# KiCad board d-lev-io-rounded.kicad_pcb
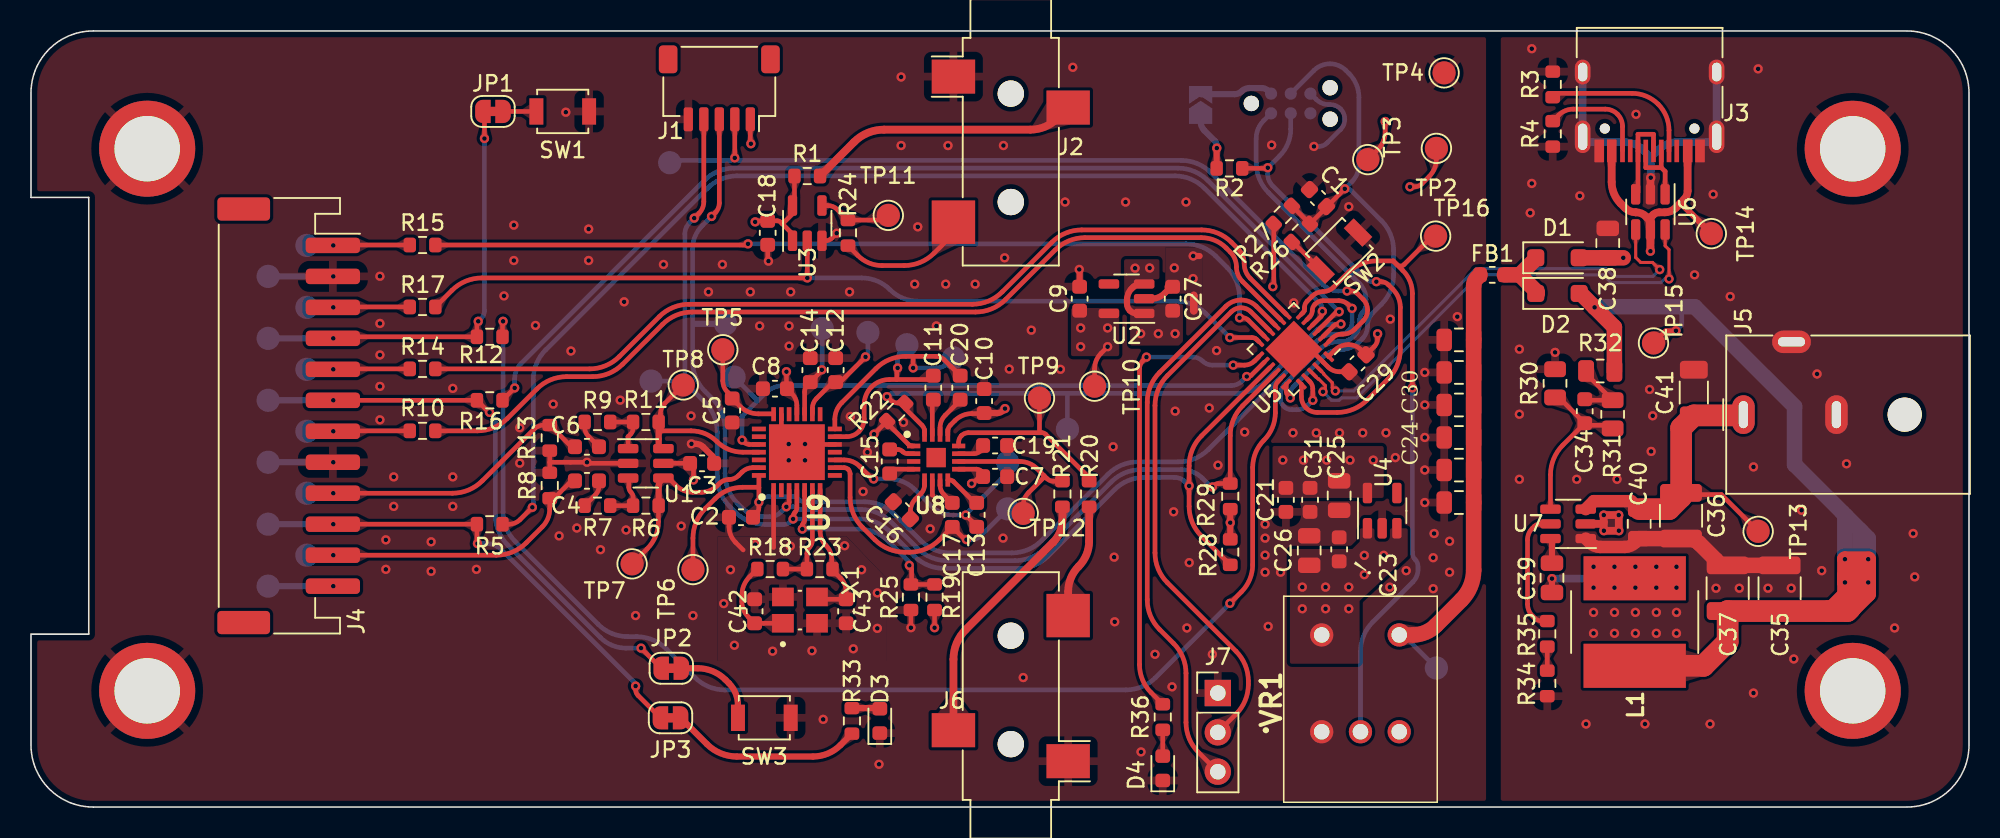
[diagram p0: board, top side]
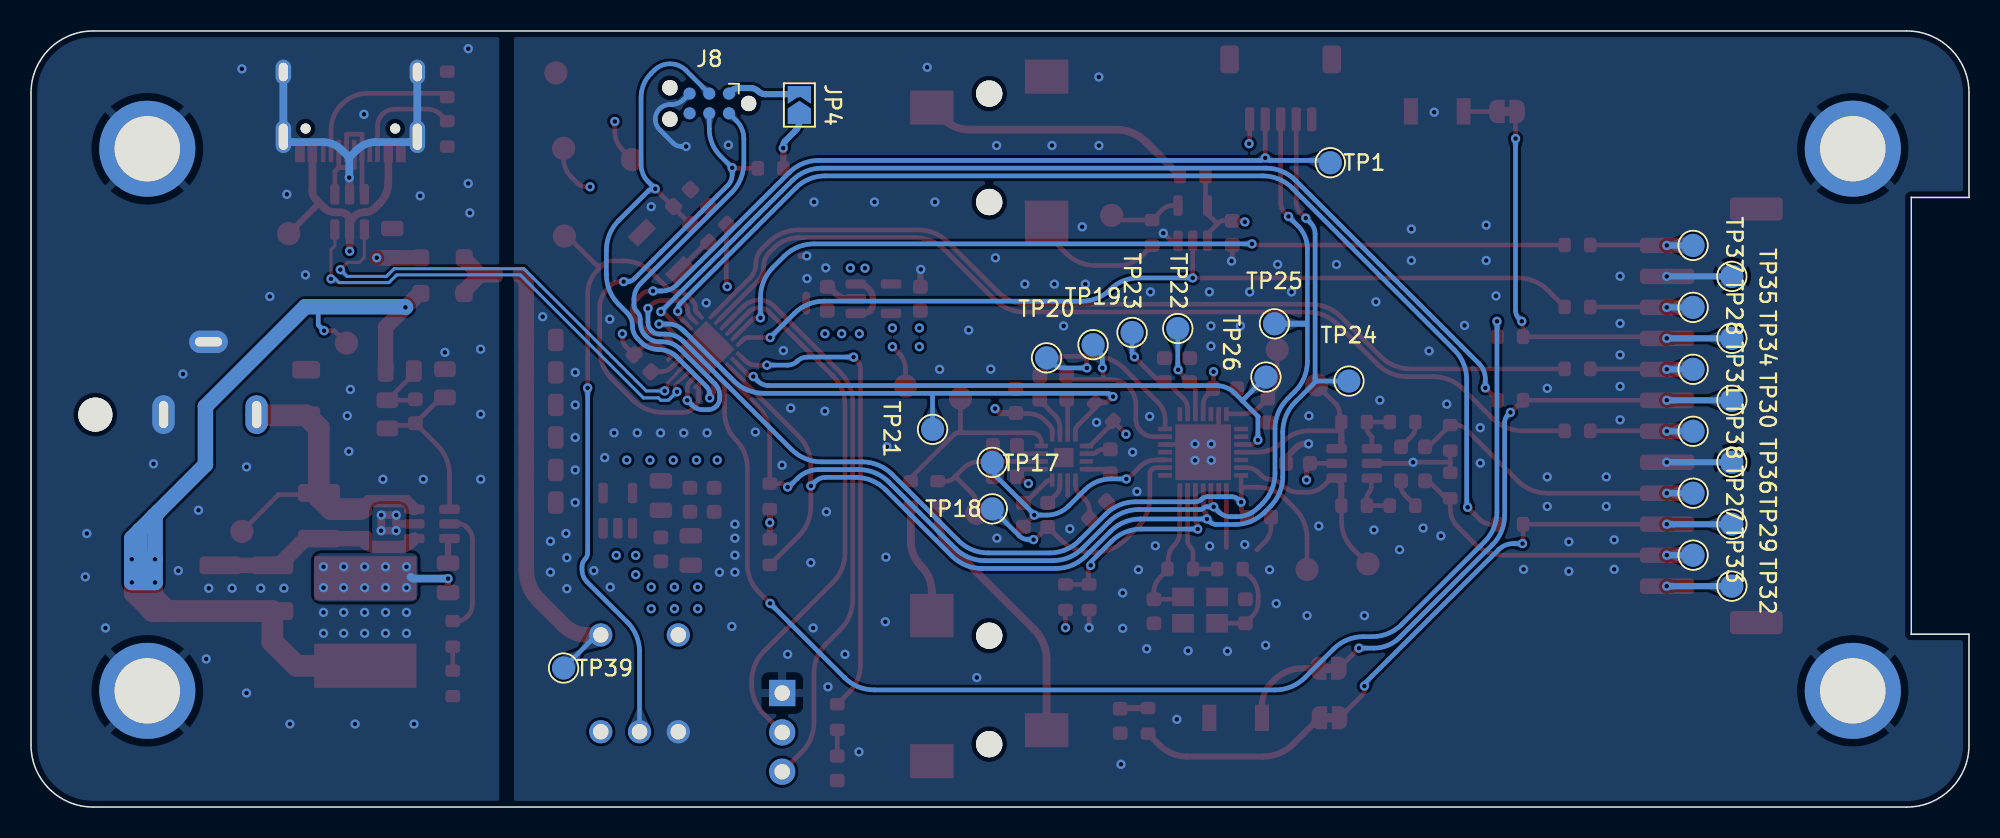
[diagram p1: board, bottom side, seen from below]

Outline 124.99 x 50.1 mm; copper layers: Top, In1.Cu, In2.Cu, Bottom. Coordinates in mm from the lower left corner of the outline.
Outline path: 0,11.16 0,4 arc(1.17,1.17) 4,0 120.99,0 arc(123.82,1.17) 124.99,4 124.99,46.1 arc(123.82,48.93) 120.99,50.1 4,50.1 arc(1.17,48.93) 0,46.1 0,39.36 3.72,39.36 3.72,11.16 0,11.16
Stack: Top 0.035mm / dielectric 0.2mm FR4 er 4.5 / In1.Cu 0.0175mm / dielectric 1.075mm FR4 er 4.5 / In2.Cu 0.0175mm / dielectric 0.2mm FR4 er 4.5 / Bottom 0.035mm

## Placement (name value [footprint] x y rotation side)
C1  .1u  [C_0603_1608Metric]  83.01 39.32 315 top
C2  1u  [C_0603_1608Metric]  45.79 18.71 0 top
C3  100n  [C_0603_1608Metric]  43.28 22.19 180 top
C4  4.7n  [C_0603_1608Metric]  35.86 21.06 180 top
C5  4.7u  [C_0603_1608Metric]  45.22 25.6 270 top
C6  4.7n  [C_0603_1608Metric]  35.86 23.26 180 top
C7  1u  [C_0603_1608Metric]  62.18 21.33 0 top
C8  1u  [C_0603_1608Metric]  47.98 27.01 0 top
C9  1u  [C_0603_1608Metric]  67.63 32.82 270 top
C10  1u  [C_0603_1608Metric]  61.47 26.21 90 top
C11  .47u  [C_0603_1608Metric]  58.2 27.07 270 top
C12  1u  [C_0603_1608Metric]  51.9 28.21 270 top
C13  .47u  [C_0603_1608Metric]  60.99 18.86 90 top
C14  1u  [C_0603_1608Metric]  50.26 28.21 270 top
C15  1u  [C_0603_1608Metric]  55.38 22.31 270 top
C16  1u  [C_0603_1608Metric]  56.17 19.16 315 top
C17  .47u  [C_0603_1608Metric]  59.42 18.86 90 top
C18  100n  [C_0603_1608Metric]  47.51 37.07 90 top
C19  0.1u  [C_0603_1608Metric]  62.18 23.34 0 top
C20  .47u  [C_0603_1608Metric]  59.93 27.07 270 top
C21  .1u  [C_0603_1608Metric]  80.94 19.83 90 top
C22  10u  [C_0805_2012Metric]  92.1 25.96 0 top
C23  1u  [C_0603_1608Metric]  84.37 16.63 270 top
C24  10u  [C_0805_2012Metric]  92.1 19.66 0 top
C25  10u  [C_0805_2012Metric]  84.37 20.11 90 top
C26  10u  [C_0805_2012Metric]  82.44 16.56 270 top
C27  1u  [C_0603_1608Metric]  73.63 32.82 270 top
C28  10u  [C_0805_2012Metric]  92.1 21.76 0 top
C29  4.7u  [C_0603_1608Metric]  85.56 28.65 45 top
C30  10u  [C_0805_2012Metric]  92.1 30.16 0 top
C31  1u  [C_0603_1608Metric]  82.5 19.83 90 top
C32  10u  [C_0805_2012Metric]  92.1 23.86 0 top
C33  10u  [C_0805_2012Metric]  92.1 28.06 0 top
C34  75p  [C_0603_1608Metric]  100.21 25.55 270 top
C35  22u  [C_1210_3225Metric]  112.78 14.13 90 top
C36  10u  [C_1210_3225Metric]  106.42 18.81 270 top
C37  22u  [C_1210_3225Metric]  109.43 14.13 90 top
C38  0.1u  [C_0805_2012Metric]  101.7 36.41 270 top
C39  .1u  [C_0805_2012Metric]  98.1 14.8 270 top
C40  .1u  [C_0805_2012Metric]  103.73 18.28 270 top
C41  47u  [C_1206_3216Metric]  107.25 26.76 90 top
C42  33p  [C_0603_1608Metric]  46.67 12.64 90 top
C43  33p  [C_0603_1608Metric]  52.57 12.64 270 top
D1  SS34FA  [D_SOD-123F]  98.45 35.46 0 top
D2  SS34FA  [D_SOD-123F]  98.45 33.16 0 top
D3  LED  [LED_0603_1608Metric]  54.75 5.56 90 top
D4  STATUS  [LED_0603_1608Metric]  72.99 2.5 90 top
FB1  50mohm DCR, 120R@100Mhz  [L_0603_1608Metric]  94.25 34.36 180 top
G***  -  [LOGO]  24.65 7.74 180 bottom
H1  MountingHole_Pad  [SMTSO-M3]  7.49 42.5 0 top
H2  MountingHole_Pad  [SMTSO-M3]  117.49 42.5 0 top
H3  MountingHole_Pad  [SMTSO-M3]  7.49 7.5 0 top
H4  MountingHole_Pad  [SMTSO-M3]  117.49 7.5 0 top
J1  CV_HDR  [JST_SH_SM05B-SRSS-TB_1x05-1MP_P1.00mm_Horizontal]  44.39 46.4 180 top
J2  MIDI_OUT_JACK  [Jack_3.5mm_CUI_SJ-3523-SMT_Horizontal]  63.19 43.56 0 top
J3  USB_C_Receptacle_USB2.0  [USB_C_Receptacle_HRO_TYPE-C-31-M-12]  104.4 46.41 180 top
J4  Conn_01x12_MountingPin  [JST_PH_S12B-PH-SM4-TB_1x12-1MP_P2.00mm_Horizontal]  16.62 25.26 270 top
J5  PJ-059A  [BarrelJack_CUI_PJ-059A]  110.45 25.33 90 top
J6  HEADPHONE  [Jack_3.5mm_CUI_SJ-3523-SMT_Horizontal]  63.19 6.56 180 top
J7  TOUCH_HDR  [PinHeader_1x03_P2.54mm_Vertical]  76.55 7.36 0 top
J8  PROG_HDR  [Tag-Connect_TC2030-IDC-NL_2x03_P1.27mm_Vertical]  81.25 45.42 0 bottom
JP1  ACAL_JUMPER  [SolderJumper-2_P1.3mm_Bridged_RoundedPad1.0x1.5mm]  29.8 44.91 0 top
JP2  MUTE_JUMPER  [SolderJumper-2_P1.3mm_Bridged_RoundedPad1.0x1.5mm]  41.3 8.96 0 top
JP3  MUTE_LED_JUMPER  [SolderJumper-2_P1.3mm_Bridged_RoundedPad1.0x1.5mm]  41.25 5.76 0 top
JP4  PROG_VIN  [SolderJumper-2_P1.3mm_Open_TrianglePad1.0x1.5mm]  75.44 45.33 90 bottom
L1  15u  [L_Bourns_SRN8040TA]  103.43 11.94 270 top
NT1  NetTie_2  [NetTie-2_SMD_Pad0.5mm]  75 32.53 270 top
R1  220  [R_0603_1608Metric]  50.06 40.74 0 top
R2  1k  [R_0603_1608Metric]  77.3 41.23 0 top
R3  5.1k  [R_0603_1608Metric]  98.15 46.66 270 top
R4  5.1k  [R_0603_1608Metric]  98.15 43.46 90 top
R5  0  [R_0603_1608Metric]  29.59 18.26 180 top
R6  100k  [R_0603_1608Metric]  39.66 19.46 0 top
R7  220  [R_0603_1608Metric]  36.53 19.46 180 top
R8  75  [R_0603_1608Metric]  33.46 20.76 90 top
R9  220  [R_0603_1608Metric]  36.53 24.86 180 top
R10  100  [R_0603_1608Metric]  25.25 24.29 0 top
R11  100k  [R_0603_1608Metric]  39.66 24.86 0 top
R12  0  [R_0603_1608Metric]  29.59 30.36 180 top
R13  75  [R_0603_1608Metric]  33.46 23.83 270 top
R14  100  [R_0603_1608Metric]  25.25 28.29 0 top
R15  0  [R_0603_1608Metric]  25.25 36.29 0 top
R16  0  [R_0603_1608Metric]  29.59 26.26 180 top
R17  100  [R_0603_1608Metric]  25.25 32.29 0 top
R18  20  [R_0603_1608Metric]  47.67 15.36 0 top
R19  56k  [R_0603_1608Metric]  58.28 13.55 90 top
R20  27  [R_0603_1608Metric]  68.25 20.21 90 top
R21  27  [R_0603_1608Metric]  66.52 20.21 90 top
R22  100k  [R_0603_1608Metric]  55.8 25.5 225 top
R23  499k  [R_0603_1608Metric]  50.87 15.36 180 top
R24  220  [R_0603_1608Metric]  52.69 37.07 270 top
R25  0  [R_0603_1608Metric]  56.75 13.55 90 top
R26  330  [R_0603_1608Metric]  81.9 37.07 225 top
R27  10k  [R_0603_1608Metric]  80.74 38.23 45 top
R28  2.2k  [R_0603_1608Metric]  77.35 16.46 90 top
R29  2.2k  [R_0603_1608Metric]  77.35 20.06 270 top
R30  13.3k  [R_0805_2012Metric]  98.3 27.35 90 top
R31  100k  [R_0805_2012Metric]  102.01 25.35 270 top
R32  49.9  [R_0805_2012Metric]  101.21 28.15 180 top
R33  1k  [R_0603_1608Metric]  52.95 5.56 270 top
R34  105k  [R_0603_1608Metric]  97.79 7.98 270 top
R35  511k  [R_0603_1608Metric]  97.79 11.18 270 top
R36  1k  [R_0603_1608Metric]  72.99 5.81 90 top
SW1  SW_Push  [SW_SPST_B3U-1000P]  34.3 44.91 180 top
SW2  SW_Push  [SW_SPST_B3U-1000P]  84.39 35.89 225 top
SW3  SW_Push  [SW_SPST_B3U-1000P]  47.3 5.76 180 top
TP1  TestPoint  [TestPoint_Pad_D1.5mm]  41.19 41.6 180 bottom
TP2  VSYS  [TestPoint_Pad_D1.5mm]  90.64 42.52 180 top
TP3  VDD  [TestPoint_Pad_D1.5mm]  86.22 41.8 270 top
TP4  GND  [TestPoint_Pad_D1.5mm]  91.14 47.4 180 top
TP5  DVDD  [TestPoint_Pad_D1.5mm]  44.62 29.52 0 top
TP6  TestPoint  [TestPoint_Pad_D1.5mm]  42.69 15.33 90 top
TP7  VUSB  [TestPoint_Pad_D1.5mm]  38.77 15.7 0 top
TP8  VUSB  [TestPoint_Pad_D1.5mm]  42.07 27.25 0 top
TP9  SE_L  [TestPoint_Pad_D1.5mm]  65.04 26.4 0 top
TP10  VCCA  [TestPoint_Pad_D1.5mm]  68.6 27.17 90 top
TP11  VUSB  [TestPoint_Pad_D1.5mm]  55.29 38.2 0 top
TP12  SE_R  [TestPoint_Pad_D1.5mm]  63.99 18.96 0 top
TP13  VIN  [TestPoint_Pad_D1.5mm]  111.39 17.8 270 top
TP14  VUSB  [TestPoint_Pad_D1.5mm]  108.38 37.02 90 top
TP15  VBUCK  [TestPoint_Pad_D1.5mm]  104.65 29.96 90 top
TP16  TestPoint  [TestPoint_Pad_D1.5mm]  90.59 36.86 0 top
TP17  BAL_R-  [TestPoint_Pad_D1.5mm]  62.99 22.25 180 bottom
TP18  BAL_R+  [TestPoint_Pad_D1.5mm]  62.99 19.25 180 bottom
TP19  BAL_L+  [TestPoint_Pad_D1.5mm]  56.49 29.85 180 bottom
TP20  BAL_L-  [TestPoint_Pad_D1.5mm]  59.49 29 180 bottom
TP21  TestPoint  [TestPoint_Pad_D1.5mm]  66.85 24.38 270 bottom
TP22  VREG  [TestPoint_Pad_D1.5mm]  51.03 30.89 90 bottom
TP23  VREF  [TestPoint_Pad_D1.5mm]  53.98 30.64 90 bottom
TP24  TestPoint  [TestPoint_Pad_D1.5mm]  39.99 27.5 180 bottom
TP25  TestPoint  [TestPoint_Pad_D1.5mm]  44.79 31.2 180 bottom
TP26  TestPoint  [TestPoint_Pad_D1.5mm]  45.35 27.76 270 bottom
TP27  VUSB  [TestPoint_Pad_D1.5mm]  17.8 20.26 270 bottom
TP28  VUSB  [TestPoint_Pad_D1.5mm]  17.8 32.26 270 bottom
TP29  VUSB  [TestPoint_Pad_D1.5mm]  15.3 18.26 270 bottom
TP30  VUSB  [TestPoint_Pad_D1.5mm]  15.3 26.26 270 bottom
TP31  VUSB  [TestPoint_Pad_D1.5mm]  17.8 28.26 270 bottom
TP32  VUSB  [TestPoint_Pad_D1.5mm]  15.3 14.26 270 bottom
TP33  VUSB  [TestPoint_Pad_D1.5mm]  17.8 16.26 270 bottom
TP34  VUSB  [TestPoint_Pad_D1.5mm]  15.3 30.26 270 bottom
TP35  VUSB  [TestPoint_Pad_D1.5mm]  15.3 34.26 270 bottom
TP36  VUSB  [TestPoint_Pad_D1.5mm]  15.3 22.26 270 bottom
TP37  VUSB  [TestPoint_Pad_D1.5mm]  17.8 36.26 270 bottom
TP38  VUSB  [TestPoint_Pad_D1.5mm]  17.8 24.26 270 bottom
TP39  VDD_B4SW  [TestPoint_Pad_D1.5mm]  90.64 8.97 180 bottom
U1  74LVC2GU04  [SOT-23-6]  39.65 22.19 0 top
U2  ADP151-3.3  [SOT-23-5]  70.66 32.82 180 top
U3  74AHC1G126  [SOT-23-5]  50.06 37.7 90 top
U4  AP2112K-3.3  [SOT-23-5]  87.15 19.13 90 top
U5  ATSAMD11D14A-M  [QFN-24-1EP_4x4mm_P0.5mm_EP2.6x2.6mm]  81.45 29.56 225 top
U6  USBLC6-2SC6  [SOT-23-6]  104.45 38.42 270 top
U7  TPS54202DDC  [SOT-23-6]  99.14 18.28 180 top
U8  MAX97220C/MAX97220D  [QFN50P300X300X80-17N]  58.38 22.56 0 top
U9  ES9010K2M  [QFN50P500X500X90-29N-D]  49.4 22.91 90 top
VR1  -  [RK09711110EL]  83.25 4.86 270 top
X1  7M-50.000MAAJ-T  [XTAL_7M-50.000MAAJ-T]  49.6 12.71 90 top

## Library data of the parts
C1-C14 C17-C34 C38 = -: Description: Unpolarized capacitor, small symbol
C15 C16 = -: Description: Unpolarized capacitor, small symbol; ESR: <100m; Type: X7R
C35 C37 = -: Description: Unpolarized capacitor, small symbol; Voltage: 25V X7R 80ma
C36 = -: Description: Unpolarized capacitor, small symbol; Voltage: 30V 2A X5R
C39 = -: Description: Unpolarized capacitor, small symbol; Voltage: 30V
C40 = -: Description: Unpolarized capacitor, small symbol; Voltage: 30V 2A
C41 = -: Description: Polarized capacitor
C42 C43 = -: Description: Unpolarized capacitor, small symbol; Tolerance: 1%
D1 D2 = -: Description: Schottky diode
D3 = -: Description: Light emitting diode
D4 = -: Description: Light emitting diode, small symbol
FB1 = -: Description: Ferrite bead, small symbol
H1-H4 = -: Description: Mounting Hole with connection
J1 = -: Description: Generic connector, single row, 01x05, script generated (kicad-library-utils/schlib/autogen/connector/)
J2 J6 = -: Description: Audio Jack, 3 Poles (Stereo / TRS)
J3 = -: Description: USB 2.0-only Type-C Receptacle connector
J4 = -: Description: Generic connectable mounting pin connector, single row, 01x12, script generated (kicad-library-utils/schlib/autogen/connector/)
J5 = -: Description: DC Barrel Jack with an internal switch
J7 = -: Description: Generic connector, single row, 01x03, script generated (kicad-library-utils/schlib/autogen/connector/)
J8 = -: Description: Generic connector, double row, 02x03, odd/even pin numbering scheme (row 1 odd numbers, row 2 even numbers), script generated (kicad-library-utils/schlib/autogen/connector/)
JP1-JP4 = -: Description: Jumper, 2-pole, closed/bridged
L1 = -: Description: Inductor
NT1 = -: Description: Net tie, 2 pins
R1-R5 R10 R12 R14-R17 R19 R22 R24-R29 R33 R36 = -: Description: Resistor, small symbol
R6-R9 R11 R13 R18 R20 R21 R23 R30-R32 R34 R35 = -: Description: Resistor, small symbol; Tolerance: 1%
SW1-SW3 = -: Description: Push button switch, generic, two pins
TP1-TP39 = -: Description: test point
U1 = -: Description: 74LVC2G04, Dual NOT Gate, Low-Voltage CMOS
U2 = -: Description: 200mA, Low Noise, CMOS Low Dropout Regulator, Positive, 3.3V Fixed Output, TSOT-23-5
U3 = -: Description: Single Buffer Gate Tri-State, Low-Voltage CMOS
U4 = -: Description: 600mA low dropout linear regulator, with enable pin, 3.8V-6V input voltage range, 3.3V fixed positive output, SOT-23-5
U5 = -: Description: ARM Cortex-M0+ MCU, 48MHz, 16KB Flash, 4KB RAM, 1.6-3.6V, 22 GPIO, QFN-24
U6 = -: Description: Very low capacitance ESD protection diode, 2 data-line, SOT-23-6
U7 = -: Description: 2A, 4.5 to 28V Input, EMI Friendly integrated switch synchronous step-down regulator, pulse-skipping, SOT-23-6
U8 = -: Description: MAXIM INTEGRATED PRODUCTS - MAX97220AETE+T - Differential Input DirectDrive Line Driver /Headphone Amplifier IC, 2.5 V to 5.5 V, TQFN-16; Height: 0.8; Manufacturer_Name: Analog Devices; Manufacturer_Part_Number: MAX97220AETE+T; Mouser Part Number: 700-MAX97220AETE+T; Mouser Price/Stock: https://www.mouser.co.uk/ProductDetail/Maxim-Integrated/MAX97220AETE%2bT?qs=52wNNiLgUjQqU%2Ftyw%2FmtyA%3D%3D
U9 = -: Height: 0.9; Manufacturer_Name: ESS Technology
VR1 = -: Description: Potentiometers Flat 20mm 10k; Height: 11.35; Manufacturer_Name: ALPS Electric; Mouser Part Number: 688-RK09711110EL; Mouser Price/Stock: https://www.mouser.co.uk/ProductDetail/Alps-Alpine/RK09711110EL?qs=Xb8IjHhkxj792FDEdNCMJA%3D%3D
X1 = -: MANUFACTURER: TXC CORPORATION

## Footprints (pads in the part's own frame, mm; a bottom-side part is the same pattern mirrored in y, then rotated)
BarrelJack_CUI_PJ-059A
  round 2.2 hole 2.2 unplated: (0,-10.4)
  oval 2.5x1.45 hole 1.75x0.6: 1(0,0) 2(0,-6)
  oval 1.45x2.5 hole 0.6x1.75: 3(4.7,-3.1)
C_0603_1608Metric
  rrect 0.9x0.95 smd: 1(-0.775,0) 2(0.775,0)
C_0805_2012Metric
  rrect 1x1.45 smd: 1(-0.95,0) 2(0.95,0)
C_1206_3216Metric
  rrect 1.15x1.8 smd: 1(-1.475,0) 2(1.475,0)
C_1210_3225Metric
  rrect 1.15x2.7 smd: 1(-1.475,0) 2(1.475,0)
D_SOD-123F
  rrect 1.1x1.1 smd: 1(-1.4,0) 2(1.4,0)
Jack_3.5mm_CUI_SJ-3523-SMT_Horizontal
  round 1.7 hole 1.7 unplated: (0,2.5) (0,-4.5)
  rect 2.8x2.2 smd: R(3.7,1.6) S(-3.7,3.6)
  rect 2.8x2.8 smd: T(-3.7,-5.8)
JST_PH_S12B-PH-SM4-TB_1x12-1MP_P2.00mm_Horizontal
  rrect 1x3.5 smd: 1(-11,2.85) 2(-9,2.85) 3(-7,2.85) 4(-5,2.85) 5(-3,2.85) 6(-1,2.85) 7(1,2.85) 8(3,2.85) 9(5,2.85) 10(7,2.85) 11(9,2.85) 12(11,2.85)
  rrect 1.5x3.4 smd: MP1(-13.35,-2.9) MP2(13.35,-2.9)
JST_SH_SM05B-SRSS-TB_1x05-1MP_P1.00mm_Horizontal
  rrect 0.6x1.55 smd: 1(-2,2) 2(-1,2) 3(0,2) 4(1,2) 5(2,2)
  rrect 1.2x1.8 smd: MP(-3.3,-1.875) MP(3.3,-1.875)
L_0603_1608Metric
  rrect 0.875x0.95 smd: 1(-0.787,0) 2(0.787,0)
L_Bourns_SRN8040TA
  rect 2.85x6.6 smd: 1(-2.825,0) 2(2.825,0)
LED_0603_1608Metric
  rrect 0.875x0.95 smd: 1(-0.787,0) 2(0.787,0)
NetTie-2_SMD_Pad0.5mm
  round 0.5 smd: 1(-0.5,0) 2(0.5,0)
PinHeader_1x03_P2.54mm_Vertical
  rect 1.7x1.7 hole 1: 1(0,0)
  oval 1.7x1.7 hole 1: 2(0,-2.54) 3(0,-5.08)
QFN50P300X300X80-17N
  rect 0.85x0.3 smd: 1(-1.45,0.75) 2(-1.45,0.25) 3(-1.45,-0.25) 4(-1.45,-0.75) 9(1.45,-0.75) 10(1.45,-0.25) 11(1.45,0.25) 12(1.45,0.75)
  rect 0.3x0.85 smd: 5(-0.75,-1.45) 6(-0.25,-1.45) 7(0.25,-1.45) 8(0.75,-1.45) 13(0.75,1.45) 14(0.25,1.45) 15(-0.25,1.45) 16(-0.75,1.45)
  rect 1.25x1.25 smd: 17(0,0)
QFN50P500X500X90-29N-D
  rrect 0.9x0.9 smd: (-1.12,1.12) (-1.12,0) (-1.12,-1.12) (0,1.12) (0,0) (0,-1.12) (1.12,1.12) (1.12,0) (1.12,-1.12)
  rect 0.9x0.3 smd: 1(-2.45,1.5) 2(-2.45,1) 3(-2.45,0.5) 4(-2.45,0) 5(-2.45,-0.5) 6(-2.45,-1) 7(-2.45,-1.5) 15(2.45,-1.5) 16(2.45,-1) 17(2.45,-0.5) 18(2.45,0) 19(2.45,0.5) 20(2.45,1) 21(2.45,1.5)
  rect 0.3x0.9 smd: 8(-1.5,-2.45) 9(-1,-2.45) 10(-0.5,-2.45) 11(0,-2.45) 12(0.5,-2.45) 13(1,-2.45) 14(1.5,-2.45) 22(1.5,2.45) 23(1,2.45) 24(0.5,2.45) 25(0,2.45) 26(-0.5,2.45) 27(-1,2.45) 28(-1.5,2.45)
  rect 3.6x3.6 smd: 29(0,0)
QFN-24-1EP_4x4mm_P0.5mm_EP2.6x2.6mm
  rrect 1.05x1.05 smd: (-0.65,0.65) (-0.65,-0.65) (0.65,0.65) (0.65,-0.65)
  rrect 0.825x0.25 smd: 1(-1.938,1.25) 2(-1.937,0.75) 3(-1.938,0.25) 4(-1.938,-0.25) 5(-1.937,-0.75) 6(-1.938,-1.25) 13(1.938,-1.25) 14(1.937,-0.75) 15(1.938,-0.25) 16(1.938,0.25) 17(1.937,0.75) 18(1.938,1.25)
  rrect 0.25x0.825 smd: 7(-1.25,-1.938) 8(-0.75,-1.937) 9(-0.25,-1.938) 10(0.25,-1.938) 11(0.75,-1.937) 12(1.25,-1.938) 19(1.25,1.938) 20(0.75,1.937) 21(0.25,1.938) 22(-0.25,1.938) 23(-0.75,1.937) 24(-1.25,1.938)
  rect 2.6x2.6 smd: 25(0,0)
R_0603_1608Metric
  rrect 0.8x0.95 smd: 1(-0.825,0) 2(0.825,0)
R_0805_2012Metric
  rrect 1.025x1.4 smd: 1(-0.912,0) 2(0.912,0)
RK09711110EL
  round 1.5 hole 1: 1(0,0) 2(0,2.5) 3(0,5) 4(-6.25,0) 5(-6.25,5)
SMTSO-M3
  round 6.2 hole 4.22: 1(0,0)
SolderJumper-2_P1.3mm_Bridged_RoundedPad1.0x1.5mm
  custom 1x1.5 smd: 1(-0.65,0) 2(0.65,0)
SolderJumper-2_P1.3mm_Open_TrianglePad1.0x1.5mm
  custom 1.5x1.5 smd: 1(-0.725,0)
  custom 1.15x1.5 smd: 2(0.725,0)
SOT-23-5
  rrect 1.325x0.6 smd: 1(-1.137,0.95) 2(-1.137,0) 3(-1.137,-0.95) 4(1.137,-0.95) 5(1.137,0.95)
SOT-23-6
  rrect 1.325x0.6 smd: 1(-1.137,0.95) 2(-1.137,0) 3(-1.137,-0.95) 4(1.137,-0.95) 5(1.137,0) 6(1.137,0.95)
SW_SPST_B3U-1000P
  rect 0.9x1.7 smd: 1(-1.7,0) 2(1.7,0)
Tag-Connect_TC2030-IDC-NL_2x03_P1.27mm_Vertical
  round 0.991 hole 0.991 unplated: (-2.54,0) (2.54,-1.016) (2.54,1.016)
  round 0.787 smd: 1(-1.27,-0.635) 2(-1.27,0.635) 3(0,-0.635) 4(0,0.635) 5(1.27,-0.635) 6(1.27,0.635)
TestPoint_Pad_D1.5mm
  round 1.5 smd: 1(0,0)
USB_C_Receptacle_HRO_TYPE-C-31-M-12
  round 0.65 hole 0.65 unplated: (-2.89,2.6) (2.89,2.6)
  rect 0.6x1.45 smd: A1(-3.25,4.045) A4(-2.45,4.045) A9(2.45,4.045) A12(3.25,4.045) B1(3.25,4.045) B4(2.45,4.045) B9(-2.45,4.045) B12(-3.25,4.045)
  rect 0.3x1.45 smd: A5(-1.25,4.045) A6(-0.25,4.045) A7(0.25,4.045) A8(1.25,4.045) B5(1.75,4.045) B6(0.75,4.045) B7(-0.75,4.045) B8(-1.75,4.045)
  oval 1x2.1 hole 0.6x1.7: S1(-4.32,3.13) S1(4.32,3.13)
  oval 1x1.6 hole 0.6x1.2: S1(-4.32,-1.05) S1(4.32,-1.05)
XTAL_7M-50.000MAAJ-T
  rect 1.2x1.4 smd: 1(-0.85,1.1) 2(-0.85,-1.1) 3(0.85,-1.1) 4(0.85,1.1)

## Nets
+3.3VA: C3.2 C7.1 C8.2 C9.2 C10.1 R19.1 R22.2 TP10.1 U1.5 U2.5 U8.1 U8.9 U8.13 U9.18
+3V3: C21.2 C25.2 C29.2 C31.2 JP4.1 R2.1 R27.1 R28.2 R29.2 TP2.1 U4.5 U5.24 VR1.3
+12V: C36.1 C40.1 C41.1 J5.1 TP13.1 U7.3
GND: C1.1 C2.1 C3.1 C5.2 C7.2 C8.1 C9.1 C10.2 C12.1 C14.1 C16.1 C18.1 C19.2 C21.1 C22.1 C23.1 C24.1 C25.1 C26.1 C27.1 C28.1 C29.1 C30.1 C31.1 C32.1 C33.1 C35.2 C36.2 C37.2 C38.1 C40.2 C41.2 C42.2 C43.2 D3.1 D4.1 H1.1 H2.1 H3.1 H4.1 J1.5 J2.S J3.A1 J3.A12 J3.B1 J3.B12 J3.S1 J4.2 J4.8 J5.2 J5.3 J6.S J7.1 J8.5 NT1.1 NT1.2 R3.1 R4.1 R8.2 R13.2 R25.1 R30.2 R34.2 SW1.1 SW2.1 SW3.1 TP4.1 TP35.1 TP36.1 U1.2 U2.2 U3.3 U4.2 U5.23 U5.25 U6.2 U7.1 U8.3 U8.6 U9.1 U9.12 U9.20 U9.29 VR1.1 X1.2 X1.4
VBUS: C38.2 D1.2 J3.A4 J3.A9 J3.B4 J3.B9 TP14.1 U6.5
VDD: C18.2 C23.2 C26.2 C27.2 J1.1 J4.12 R1.1 TP3.1 TP32.1 U2.1 U2.3 U3.1 U3.5 U4.1 U4.3 VR1.4
/Buck/VOUT: C35.1 C37.1 D2.2 L1.2 R32.1 TP15.1
/DAC/DAC.XI: C43.1 R23.1 U9.7 X1.3
/DAC/DAC.XO: R18.2 R23.2 U9.6
/DAC/DAC_1V2: C5.1 TP5.1 U9.21
/DAC/DAC_GPIO: TP26.1 U5.14 U9.24
/DAC/DAC_RESET: C2.2 TP6.1 U5.5 U9.28
/DAC/HPA_SHDN: R22.1 TP21.1 U5.2 U8.16
/DAC/IN_BAL.L+: C11.2 U8.15
/DAC/IN_BAL.L-: C20.2 U8.14
/DAC/IN_BAL.R+: C17.2 U8.7
/DAC/IN_BAL.R-: C13.2 U8.8
/DAC/OUT_BAL.L+: C11.1 TP19.1 U9.13
/DAC/OUT_BAL.L-: C20.1 TP20.1 U9.14
/DAC/OUT_BAL.R+: C17.1 TP18.1 U9.9
/DAC/OUT_BAL.R-: C13.1 TP17.1 U9.10
/DAC/OUT_SE_L: R20.2 TP9.1 U8.12
/DAC/OUT_SE_R: R21.2 TP12.1 U8.10
/DAC/SCL: J1.3 R29.1 TP25.1 U5.16 U9.3
/DAC/SDA: J1.4 R28.1 TP24.1 U5.15 U9.4
/DAC/SPDIF1: R11.2 TP8.1 U1.6 U9.25
/DAC/SPDIF2: R6.2 TP7.1 U1.4 U9.27
/SAMD11/CV_EN: J1.2 TP1.1 U5.1
/SAMD11/JTAG.SWCLK: J8.4 R2.2 U5.19
/SAMD11/JTAG.SWDIO: J8.2 U5.20
/SAMD11/PTC_X2Y8: J7.3 U5.9
/SAMD11/PTC_X3Y9: J7.2 U5.10
/SAMD11/STATUS_LED: R36.2 U5.13
/SAMD11/USB.DN: U5.21 U6.6
/SAMD11/USB.DP: U5.22 U6.4
/SAMD11/VOLUME_POT: TP16.1 U5.6 VR1.2
/SAMD11/~{RST}: C1.2 J8.3 R26.1 R27.2 U5.18
/UINN: J3.A7 J3.B7 U6.1
/UINP: J3.A6 J3.B6 U6.3
acal_btn: J4.4 JP1.1 R12.2 TP34.1
midi_from_fpga_3v: R17.2 U3.2 U5.12
midi_to_fpga_3v: R15.2 U5.11
mute_btn: J4.6 JP2.1 R16.2 TP30.1
mute_led: J4.10 JP3.1 R5.2 TP29.1
spdif_line: C6.2 J4.9 R13.1 TP27.1
spdif_mon: C4.2 J4.11 R8.1 TP33.1
SWITCH_LOW: C22.2 C24.2 C28.2 C30.2 C32.2 C33.2 FB1.2 TP39.1 VR1.5
uart_rx_3v: R10.2 U5.8
uart_tx_3v: R14.2 U5.7
Net-(C4-Pad1): C4.1 R7.2
Net-(C6-Pad1): C6.1 R9.2
Net-(C34-Pad1): C34.1 R31.1 R32.2
Net-(C42-Pad1): C42.1 R18.1 X1.1
Net-(D1-K): D1.1 D2.1 FB1.1
Net-(D3-A): D3.2 R33.1
Net-(D4-A): D4.2 R36.1
Net-(J2-PadR): J2.R R1.2
Net-(J2-PadT): J2.T R24.2
Net-(J3-CC1): J3.A5 R3.2
Net-(J3-CC2): J3.B5 R4.2
Net-(J4-Pin_1): J4.1 R15.1 TP37.1
Net-(J4-Pin_3): J4.3 R17.1 TP28.1
Net-(J4-Pin_5): J4.5 R14.1 TP31.1
Net-(J4-Pin_7): J4.7 R10.1 TP38.1
Net-(J6-PadR): J6.R R21.1
Net-(J6-PadT): J6.T R20.1
Net-(J8-Pin_1): J8.1 JP4.2
Net-(JP1-B): JP1.2 SW1.2
Net-(JP2-B): JP2.2 SW3.2
Net-(JP3-B): JP3.2 R33.2
Net-(R6-Pad1): R6.1 R7.1 U1.3
Net-(R11-Pad1): R9.1 R11.1 U1.1
Net-(R24-Pad1): R24.1 TP11.1 U3.4
Net-(R26-Pad2): R26.2 SW2.2
Net-(R34-Pad1): R34.1 R35.2
Net-(U5-PA04): R16.1 U5.3
Net-(U5-PA05): R5.1 U5.4
Net-(U5-PA27): R12.1 U5.17
Net-(U7-BOOT): C39.1 U7.6
Net-(U7-EN): R35.1 U7.5
Net-(U7-FB): C34.2 R30.1 R31.2 U7.4
Net-(U7-SW): C39.2 L1.1 U7.2
Net-(U8-BIAS): C19.1 U8.11
Net-(U8-C1N): C15.2 U8.4
Net-(U8-C1P): C15.1 U8.2
Net-(U8-PVSS): C16.2 U8.5
Net-(U9-ADDR): R19.2 R25.2 U9.5
Net-(U9-VREF): C12.2 TP23.1 U9.16
Net-(U9-VREG): C14.2 TP22.1 U9.17

Pads without a net: J1 MP; J3 A8 B8; J4 MP1 MP2; J8 6; U2 4; U4 4; U8 17; U9 2 8 11 15 19 22 23 26

## Via types
v1: diameter 0.6, hole 0.3, Top to Bottom, 310 vias
